# Altium PCB MB1605.PcbDoc (part 3 of 11) (continued)
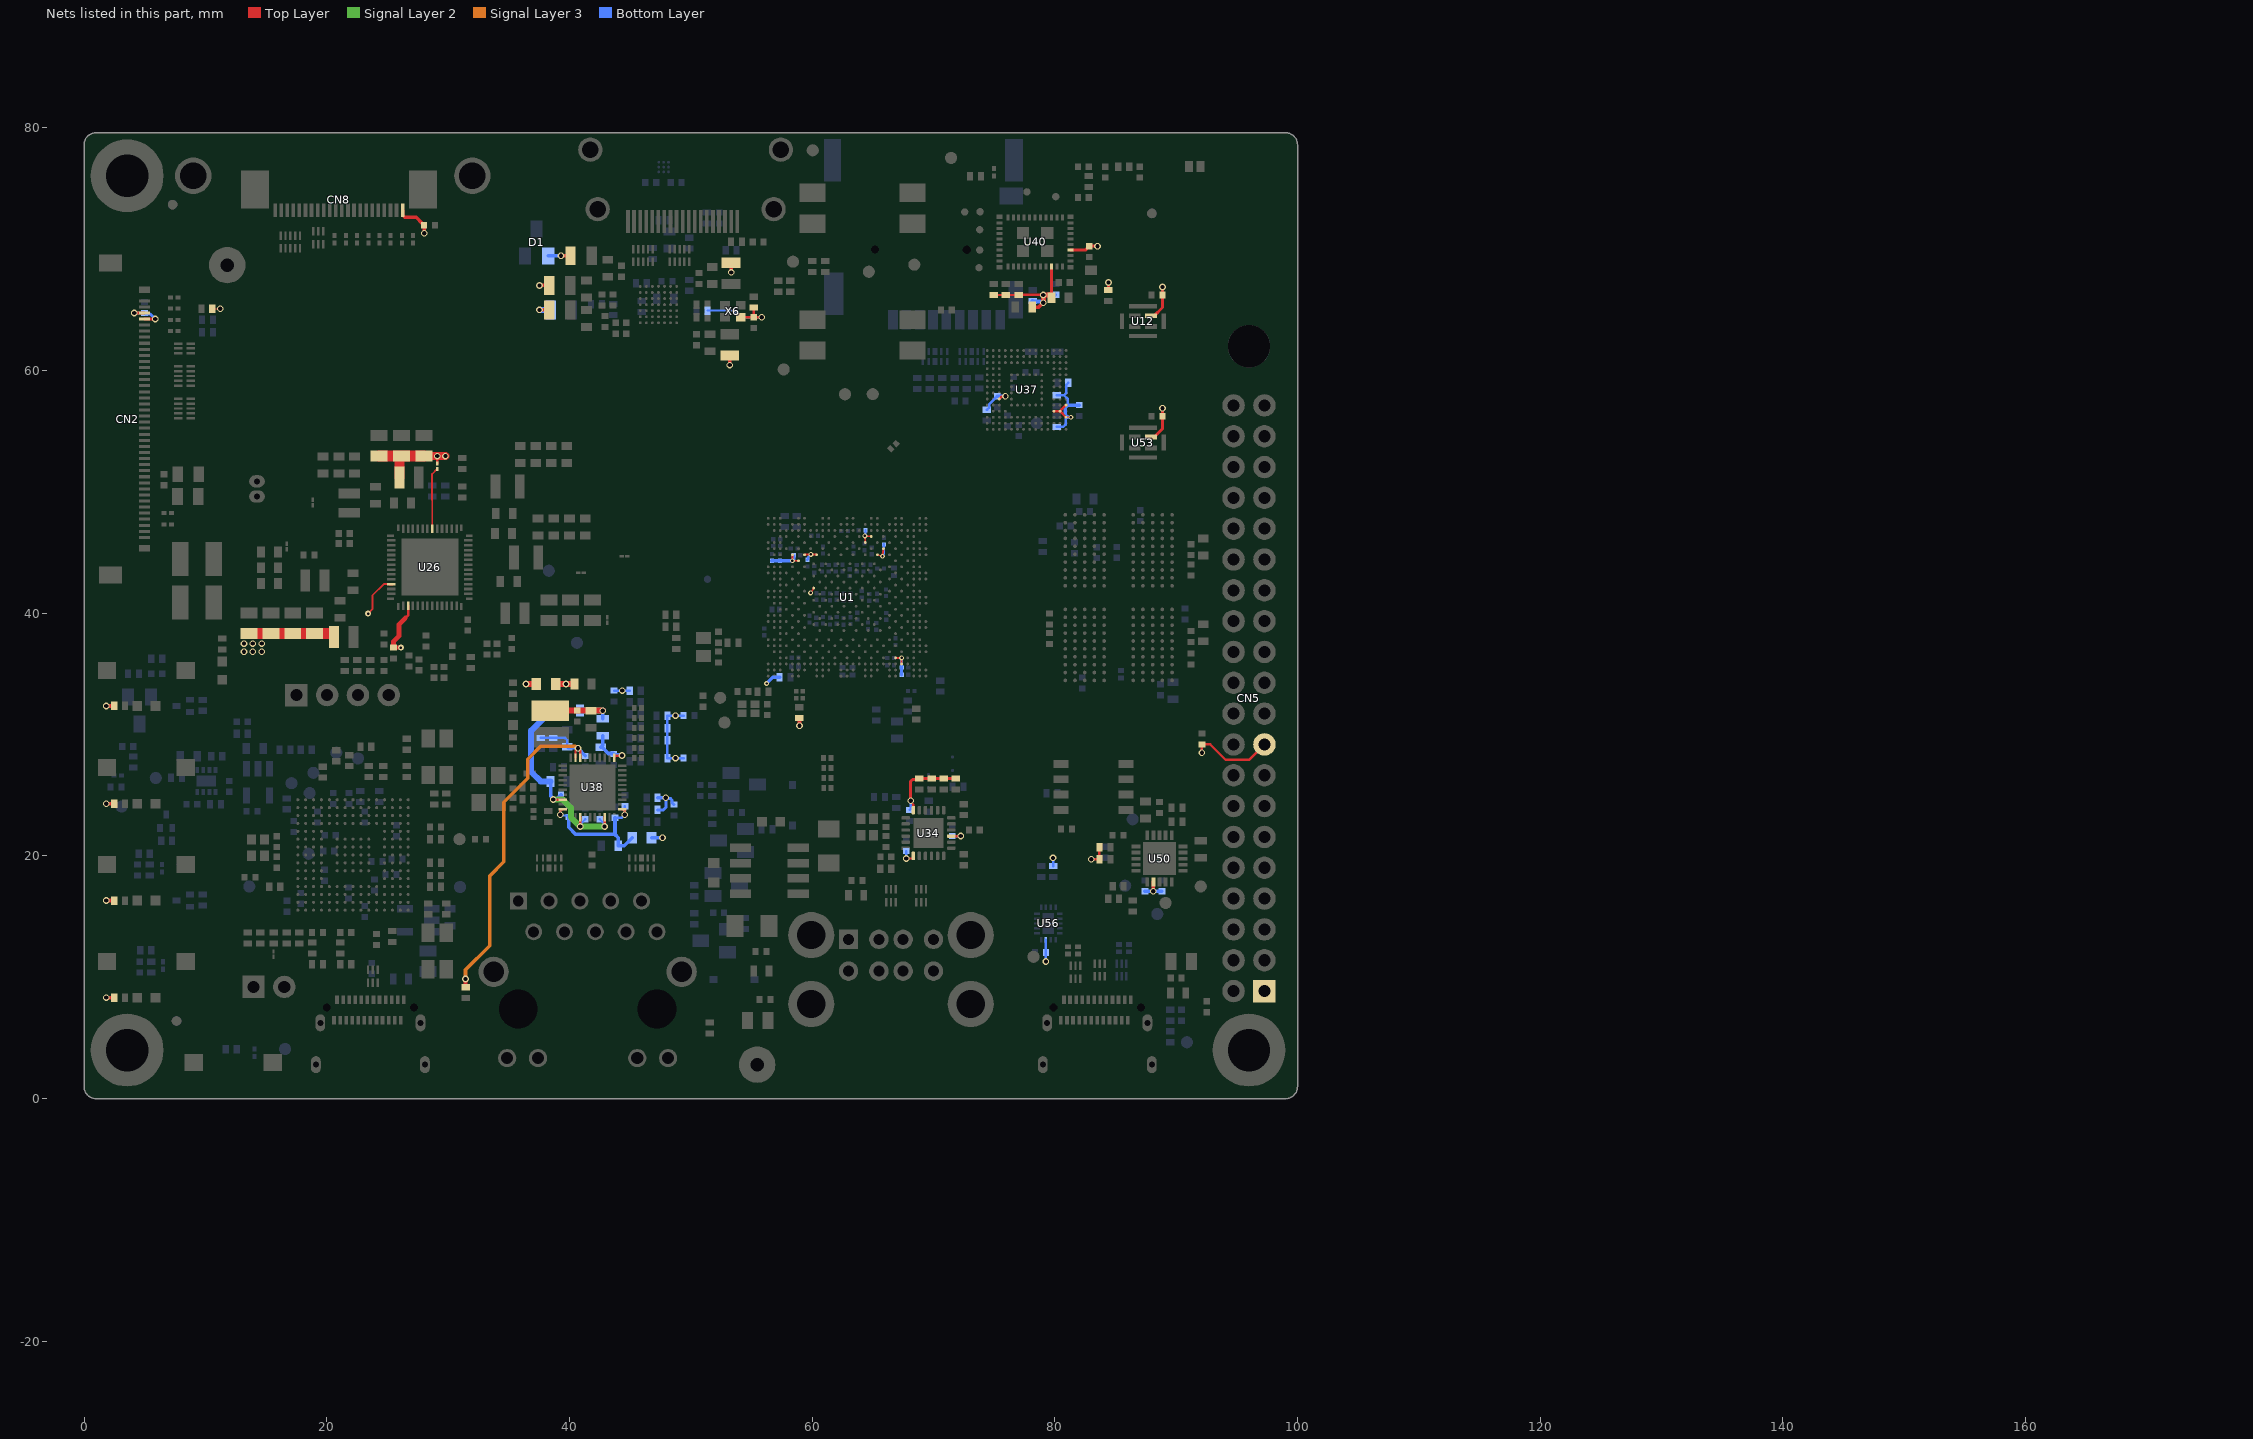
[diagram p7: the nets of this part, all layers, seen from the top]
## Part data (continued)
C117 C128 C132 C145 C148 C160: library part MCD-02606, "Capacitor, MLCC, 2.2uF, 6.3V, X5R, +/-10%, 0402, T=0.5mm", Manufacturer=YAGEO, Manufacturer_Part_Number=CC0402KRX5R5BB225, Package=0402, Component_Country_Of_Origin=China?ISIMPORTED=TRUE, ComponentLink1URL=http://tunmcdsvn.tun.st.com/Component_Documentation_Library/Trunk/Capacitor/YAGEO_X5R_Series, ID=4712, Internal_Part_Number=MCD-02606, Order_Code_Digikey=311-1682-2-ND, Order_Code_Farnell=3366429, Order_Code_RS=1992205, Part_Preference=Recommended, Part_Type=Capacitor, ShowFields=YES, Status=Checked
C129 C165 C169: library part MCD-00099, "Capacitor, MLCC, 10uF, 10V, X5R, +/-10%, 0603, T=0.8mm", Manufacturer=MURATA, Manufacturer_Part_Number=GRM188R61A106KE69D, Package=0603, Component_Country_Of_Origin=Japan, ComponentLink1URL=http://tunmcdsvn.tun.st.com/Component_Documentation_Library/Trunk/Capacitor/MURATA_GRM_Series, ID=2770, Internal_Part_Number=MCD-00099, Order_Code_Digikey=490-10474-1-ND, Order_Code_Farnell=2494233, Order_Code_RS=170-6168, Part_Preference=Recommended, Part_Type=Capacitor, ShowFields=YES, Status=Released
C131: library part MCD-00016, "Capacitor, MLCC, 20pF, 50V, NPO, +/- 5%, 0402, T=0.5mm", Manufacturer=YAGEO, Manufacturer_Part_Number=CC0402JRNPO9BN200, Package=0402, Component_Country_Of_Origin=China, ComponentLink1URL=http://tunmcdsvn.tun.st.com/Component_Documentation_Library/Trunk/Capacitor/YAGEO_NP0_Series, ID=2479, Internal_Part_Number=MCD-00016, Order_Code_Digikey=311-1417-1-ND, Order_Code_Farnell=N/A, Order_Code_RS=N/A, Part_Preference=Recommended, Part_Type=Capacitor, ShowFields=YES, Status=Released
C133 C140: library part MCD-01374, "Capacitor, MLCC, 5.6pF, 50V, NPO, +/-0.1pF, 0402, T=0.5mm", Manufacturer=YAGEO, Manufacturer_Part_Number=CC0402BRNPO9BN5R6, Package=0402, Component_Country_Of_Origin=China, ComponentLink1URL=http://tunmcdsvn.tun.st.com/Component_Documentation_Library/Trunk/Capacitor/YAGEO_NP0_Series, ID=3474, Internal_Part_Number=MCD-01374, Order_Code_Digikey=311-1625-1-ND, Order_Code_Farnell=N/A, Order_Code_RS=N/A, Part_Preference=Recommended, Part_Type=Capacitor, ShowFields=YES, Status=Released
C134 C218: library part MCD-01356, "Capacitor, MLCC, 4.7uF, 6V3, X5R, 20%, 0402, T=0,5mm", Alternate_Manufacturer=MURATA, Alternate_Manufacturer_Part_Number=GRM155R60J475ME87, Manufacturer_Part_Number=GRM155R60J475ME47, Package=0402, Component_Country_Of_Origin=Japan, ComponentLink1Description=Datasheet, ComponentLink1URL=http://tunmcdsvn.tun.st.com/Component_Documentation_Library/Trunk/Capacitor/MURATA_GRM_Series, ECCN_EU=NEC, ECCN_US=EAR99, ID=3456, Internal_Part_Number=MCD-01356, Manufacturer=MURATA, Order_Code_Digikey=490-5915-1-ND, Order_Code_Farnell=2666407, Order_Code_RS=814-5230, Part_Preference=Recommended, Part_Type=Capacitor, Provided_By=SUBCO, ShowFields=YES, Status=Released
C135: library part MCD-00099, "Capacitor, MLCC, 10uF, 10V, X5R, 10%, 0603, T=0,8mm", Manufacturer=MURATA, Manufacturer_Part_Number=GRM188R61A106KE69D, Package=0603, Component_Country_Of_Origin=Japan, ComponentLink1Description=Datasheet, ComponentLink1URL=http://tunmcdsvn.tun.st.com/Component_Documentation_Library/Trunk/Capacitor/MURATA_GRM_Series, ECCN_EU=NEC, ECCN_US=EAR99, ID=2770, Initial_Board_Reference=MB1262, Internal_Part_Number=MCD-00099, Order_Code_Digikey=490-10474-1-ND, Order_Code_Farnell=2494233, Order_Code_RS=170-6168, Part_Preference=Recommended, Part_Type=Capacitor, Provided_By=SUBCO, ShowFields=YES, Status=Released
C136: library part MCD-00012, "Capacitor, MLCC, 2.2uF, 10V, X5R, 10%, 0603, T=0,8mm", Alternate_Manufacturer=KEMET, Alternate_Manufacturer_Part_Number=C0603C225K8PACTU, Manufacturer=YAGEO, Manufacturer_Part_Number=CC0603KRX5R6BB225, Package=0603, BMS_Part_Number=9142010, Component_Country_Of_Origin=China, ComponentLink1Description=Datasheet, ComponentLink1URL=http://tunmcdsvn.tun.st.com/Component_Documentation_Library/Trunk/Capacitor/YAGEO_X5R_Series, ECCN_EU=NEC, ECCN_US=EAR99, ID=2467, Initial_Board_Reference=MB1274, Internal_Part_Number=MCD-00012, Order_Code_Digikey=311-1451-1-ND, Order_Code_Farnell=2370679, Order_Code_RS=N/A, Part_Preference=Recommended, Part_Type=Capacitor, Provided_By=SUBCO, ShowFields=YES, Status=Released
C150 C226: library part MCD-00104, "Capacitor, MLCC, 220uF, 6V3, X5R, +/-20%, 1206, T=1.6mm", Manufacturer=MURATA, Manufacturer_Part_Number=GRM31CR60J227ME11, Package=1206, Component_Country_Of_Origin=Japan, ComponentLink1URL=http://tunmcdsvn.tun.st.com/Component_Documentation_Library/Trunk/Capacitor/MURATA_GRM_Series, ID=2764, Internal_Part_Number=MCD-00104, Order_Code_Digikey=490-13970-1-ND, Order_Code_Farnell=2494472, Order_Code_RS=170-6396, Part_Preference=Recommended, Part_Type=Capacitor, ShowFields=YES, Status=Released
C151 C250 C252 C260: library part MCD-02377, "Capacitor, MLCC, 1uF, 6.3V, X5R, +/-20%, 0201, T=0,3mm", Alternate_Manufacturer=N/A, Manufacturer=MURATA, Manufacturer_Part_Number=GRM033R60J105MEA2, Package=0201, Alternate_Manufacturer_Part_Number=N/A, Component_Country_Of_Origin=Japan, ComponentLink1URL=http://tunmcdsvn.tun.st.com/Component_Documentation_Library/Trunk/Capacitor/MURATA_GRM_Series/GRM033R60J105MEA2/, ID=4483, Internal_Part_Number=MCD-02377, Order_Code_Digikey=490-7229-2-ND, Order_Code_Farnell=2470448, Order_Code_RS=820-0643, Part_Preference=Recommended, Part_Type=Capacitor, ShowFields=YES, Status=Checked
C156 C164: library part MCD-00205, "Capacitor, MLCC, 100pF, 50V, NPO, +/-5%, 0402, T=0.5mm", Manufacturer=YAGEO, Manufacturer_Part_Number=CC0402JRNPO9BN101, Package=0402, Component_Country_Of_Origin=China, ComponentLink1URL=http://tunmcdsvn.tun.st.com/Component_Documentation_Library/Trunk/Capacitor/YAGEO_NP0_Series, ID=2658, Internal_Part_Number=MCD-00205, Order_Code_Digikey=311-1024-1-ND, Order_Code_Farnell=3019226RL, Order_Code_RS=N/A, Part_Preference=Recommended, Part_Type=Capacitor, ShowFields=YES, Status=Released
C166 C172: library part MCD-02355, "Capacitor, MLCC, 100nF, 25V, X7R, +/-10%, 0402, T=0.5mm", Manufacturer=WALSIN, Manufacturer_Part_Number=0402B104K250CT, Package=0402, Alternate_EMS="M, M", Component_Country_Of_Origin=Unknown, ComponentLink1URL=http://tunmcdsvn.tun.st.com/Component_Documentation_Library/Trunk/Capacitor/WALSIN_Monolithic_Series/, ID=4461, Internal_Part_Number=MCD-02355, Order_Code_Digikey=1292-1175-1-ND, Order_Code_Farnell=2496772, Order_Code_RS=176-3114, Part_Preference=Recommended, Part_Type=Capacitor, Partial_Alternate_Internal_Part_Number="MCD-03302, MCD-03304", ShowFields=YES, Status=Released
C167 C174 C175 C176: library part MCD-00200, "Capacitor, MLCC, 12pF, 50V, NPO, 5%, 0402, T=0,5mm", Alternate_Manufacturer=N/A, Manufacturer=YAGEO, Manufacturer_Part_Number=CC0402JRNPO9BN120, Package=0402, Alternate_Manufacturer_Part_Number=N/A, Component_Country_Of_Origin=China, ComponentLink1Description=Datasheet, ComponentLink1URL=http://tunmcdsvn.tun.st.com/Component_Documentation_Library/Trunk/Capacitor/YAGEO_NP0_Series, ECCN_EU=NEC, ECCN_US=EAR99, ID=2667, Internal_Part_Number=MCD-00200, Order_Code_Digikey=311-1016-1-ND, Order_Code_Farnell=2370624, Order_Code_RS=N/A, Part_Preference=Recommended, Part_Type=Capacitor, Provided_By=SUBCO, ShowFields=YES, Status=Checked
C168 C171: library part MCD-00724, "Capacitor, MLCC, 470pF, 50V, NPO, +/-5%, 0402, T=0.5mm", Manufacturer=YAGEO, Manufacturer_Part_Number=CC0402JRNPO9BN471, Package=0402, Component_Country_Of_Origin=China, ComponentLink1URL=http://tunmcdsvn.tun.st.com/Component_Documentation_Library/Trunk/Capacitor/YAGEO_NP0_Series, ID=3023, Internal_Part_Number=MCD-00724, Order_Code_Digikey=311-1671-1-ND, Order_Code_Farnell=3366416, Order_Code_RS=199-2186, Part_Preference=Recommended, Part_Type=Capacitor, ShowFields=YES, Status=Released
C170: library part MCD-01099, "Capacitor, MLCC, 100nF, 50V, X7R, +/-10%, 0603, T=0.8mm", Manufacturer=YAGEO, Manufacturer_Part_Number=CC0603KRX7R9BB104, Package=0603, BMS_Part_Number=9142278, Component_Country_Of_Origin=China, ComponentLink1URL=http://tunmcdsvn.tun.st.com/Component_Documentation_Library/Trunk/Capacitor/YAGEO_X7R_Series, ID=3397, Internal_Part_Number=MCD-01099, Order_Code_Digikey=311-1344-1-ND, Order_Code_Farnell=1362556, Order_Code_RS=669-8767, Part_Preference=Recommended, Part_Type=Capacitor, Partial_Alternate_Internal_Part_Number=MCD-0211, ShowFields=YES, Status=Released
C185 C186 C187 C193 C194 C198 C203 C204 C206 C207: library part MCD-03139, "Capacitor, MLCC, 22uF, 10V, X5R, +/-20%, 0805, T=1,25mm", Manufacturer=MURATA, Manufacturer_Part_Number=GRM21BR61A226ME51L, Package=0805, Component_Country_Of_Origin="China, Japan", ComponentLink1URL=http://tunmcdsvn.tun.st.com/Component_Documentation_Library/Trunk/Capacitor/MURATA_GRM_Series, ID=5255, Internal_Part_Number=MCD-03139, Order_Code_Digikey=490-10511-2-ND, Order_Code_Farnell=2494270, Order_Code_RS=N/A, Part_Preference=Recommended, Part_Type=Capacitor, ShowFields=YES, Status=Checked
C192 C195 C196 C197 C201 C205 C220 C234 C236 C237 C238 C239 C240 C244 C246 C248 C251 C253: library part MCD-01535, "Capacitor, MLCC,100nF, 10V, X7R, +/-10%, 0201, T=0.3mm", Alternate_Manufacturer=N/A, Manufacturer=MURATA, Manufacturer_Part_Number=GRM033R61A104KE15, Package=0201, Alternate_Manufacturer_Part_Number=N/A, Component_Country_Of_Origin=Japan, ComponentLink1URL=http://tunmcdsvn.tun.st.com/Component_Documentation_Library/Trunk/Capacitor/MURATA_GRM_Series, ID=3635, Internal_Part_Number=MCD-01535, Order_Code_Digikey=490-5881-1-ND, Order_Code_Farnell=2470450, Order_Code_RS=790-2742, Part_Preference=Recommended, Part_Type=Capacitor, ShowFields=YES, Status=Checked
C222 C223: library part MCD-00015, "Capacitor,10pF,50V,NPO,5%,0402", Manufacturer=YAGEO, Manufacturer_Part_Number=CC0402JRNPO9BN100, Package=0402, Component_Country_Of_Origin=China, ComponentLink1Description=Datasheet, ComponentLink1URL=http://tunmcdsvn.tun.st.com/Component_Documentation_Library/Trunk/Capacitor/YAGEO_NP0_Series, ECCN_EU=n/a, ECCN_US=n/a, ID=2465, Initial_Board_Reference=mb1274, Internal_Part_Number=MCD-00015, Order_Code_Digikey=311-1014-1-ND, Order_Code_Farnell=3019160RL, Order_Code_RS=616-9256, Part_Preference=Recommended, Part_Type=Capacitor, Provided_By=SUBCO, ShowFields=YES, Status=Released
C224: library part MCD-00095, "Capacitor, MLCC, 1uF, 25V, X5R, +/-10%, 0402, T=0,5mm", Alternate_Manufacturer=MURATA, Alternate_Manufacturer_Part_Number=GRM155R60J105KE19, Manufacturer_Part_Number=GRM155R61E105KA12, Package=0402, Component_Country_Of_Origin=Japan, ComponentLink1Description=Datasheet, ComponentLink1URL=http://tunmcdsvn.tun.st.com/Component_Documentation_Library/Trunk/Capacitor/MURATA_GRM_Series, ID=2772, Internal_Part_Number=MCD-00095, Manufacturer=MURATA, Order_Code_Digikey=490-10017-1-ND, Order_Code_Farnell=2218855, Order_Code_RS=846-7287, Part_Preference=Recommended, Part_Type=Capacitor, ShowFields=YES, Status=Released
C225: library part MCD-01534, "Capacitor, MLCC, 4,7uF, 6V3, X5R, +/-20%, 0201, T=0.5mm", Alternate_Manufacturer=N/A, Manufacturer=MURATA, Manufacturer_Part_Number=GRM035R60J475ME15, Package=0201, Alternate_Manufacturer_Part_Number=N/A, Component_Country_Of_Origin=Japan, ComponentLink1URL=http://tunmcdsvn.tun.st.com/Component_Documentation_Library/Trunk/Capacitor/MURATA_GRM_Series, ID=3634, Internal_Part_Number=MCD-01534, Order_Code_Digikey=490-13230-1-ND, Order_Code_Farnell=N/A, Order_Code_RS=N/A, Part_Preference=Recommended, Part_Type=Capacitor, ShowFields=YES, Status=Checked
C235: library part MCD-02235, "Capacitor, MLCC, 2.2uF, 10V, X5R,+/-10%, 0201, T=0.5mm", Manufacturer=MURATA, Manufacturer_Part_Number=GRM033R61A225KE47D, Package=0201, Component_Country_Of_Origin=Japan, ComponentLink1URL=http://tunmcdsvn.tun.st.com/Component_Documentation_Library/Trunk/Capacitor/MURATA_GRM_Series, ID=4335, Internal_Part_Number=MCD-02235, Order_Code_Digikey=490-13227-1-ND, Order_Code_Farnell=NA, Order_Code_RS=NA, Part_Preference=Recommended, Part_Type=Capacitor, ShowFields=YES, Status=Checked
CN1: library part MCD-00307, "HDMI_Type A, Receptacle, 19x1, 0.5mm, VR, SMD, T= 6.1mm", Manufacturer="AMPHENOL ICC", Manufacturer_Part_Number=10029449-001RLF, Component_Country_Of_Origin=China, ComponentLink1URL=http://tunmcdsvn.tun.st.com/Component_Documentation_Library/Trunk/Connector/AMPHENOL_ICC_10029449_Series/, ID=2561, Internal_Part_Number=MCD-00307, Order_Code_Digikey=609-1010-2-ND, Order_Code_Farnell=3367498, Order_Code_RS=162-1999, Part_Preference=Recommended, Part_Type=Connector, ShowFields=YES, Status=Checked
CN2: library part MCD-03562, "Socket_FFC/FPC, 40pins, 0.5mm, RA, SMD, T=1mm", Manufacturer=I-PEX, Manufacturer_Part_Number=20455-040E-76, Component_Country_Of_Origin=Singapore, ComponentLink1URL=http://tunmcdsvn.tun.st.com/Component_Documentation_Library/Trunk/Connector/I-PEX_20455-040E-76, ID=5678, Internal_Part_Number=MCD-03562, Order_Code_Digikey=3508-20455-040E-76TR-ND, Order_Code_Farnell=N/A, Order_Code_RS=N/A, Part_Preference=Recommended, Part_Type=Connector, ShowFields=YES, Status=Released
CN5: library part MCD-00302, "Header, 20x2, 2.54mm, VR, TH, T=5.84mm/2.54mm", Manufacturer=SAMTEC, Manufacturer_Part_Number=TSW-120-07-G-D, Component_Country_Of_Origin="China, Costa Rica, Malaysia, United States, Vietnam", ComponentLink1URL=http://tunmcdsvn.tun.st.com/Component_Documentation_Library/Trunk/Connector/SAMTEC_TSW_Series/, ID=2567, Internal_Part_Number=MCD-00302, Order_Code_Digikey=SAM1028-20-ND, Order_Code_Farnell=2779689, Order_Code_RS=180-2456, Part_Preference=Recommended, Part_Type=Connector, ShowFields=YES, Status=Released
CN6: library part MCD-00023, "MicroSD Card Conn, Reversed-Type, Mnt Push-Push, Positionning holes", Alternate_Manufacturer=N/A, Manufacturer=YAMAICHI, Manufacturer_Part_Number=PJS008-2003-1, Alternate_Manufacturer_Part_Number=N/A, Component_Country_Of_Origin=Unknown, ComponentLink1Description=Datasheet, ComponentLink1URL=http://tunmcdsvn.tun.st.com/Component_Documentation_Library/Trunk/Connector/YAMAICHI_PJS_Series/, ECCN_EU=n/a, ECCN_US=n/a, ID=2492, Internal_Part_Number=MCD-00023, Order_Code_Digikey=N/A, Order_Code_Farnell=N/A, Order_Code_RS=N/A, Part_Preference=Recommended, Part_Type=Connector, Provided_By=SUBCO, ShowFields=YES, Status=Released
CN8: library part MCD-03600, "Socket_FFC/FPC, 22pins, 0.5mm, RA, SMD, T=2mm", Manufacturer="TE CONNECTIVITY", Component_Country_Of_Origin=China?ISIMPORTED=TRUE, ComponentLink1URL=http://tunmcdsvn.tun.st.com/Component_Documentation_Library/Trunk/Connector/TE_CONNECTIVITY_2-1734592-2, ID=5716, Internal_Part_Number=MCD-03600, Manufacturer_Part_Number=2-1734592-2, Order_Code_Digikey=A101307TR-ND, Order_Code_Farnell=3398660, Order_Code_RS=N/A, Part_Preference=Recommended, Part_Type=Connector, ShowFields=YES, Status=New
CN12: library part MCD-00655, "Header 2 circuits, 1.25mm Pitch ,  Vertical, with Friction Lock", Alternate_Manufacturer=N/A, Manufacturer=MOLEX, Manufacturer_Part_Number=53047-0210, Alternate_Manufacturer_Part_Number=N/A, BMS_Part_Number=9083002, Component_Country_Of_Origin=Unknown, ComponentLink1Description=Datasheet, ComponentLink1URL=http://tunmcdsvn.tun.st.com/Component_Documentation_Library/Trunk/Connector/MOLEX_53047-0210/, ECCN_EU=n/a, ECCN_US=n/a, ID=3091, Initial_Board_Reference=MB1272, Internal_Part_Number=MCD-00655, Order_Code_Digikey=WM1731-ND, Order_Code_Farnell=9733051, Order_Code_RS=279-9213, Part_Preference=Recommended, Part_Type=Connector, Provided_By=SUBCO, ShowFields=YES, Status=Released
CN14: library part MCD-00029, "Header, 4x1, 2.54mm, VR, TH, T=5.84mm/2.54mm", Manufacturer=SAMTEC, Manufacturer_Part_Number=TSW-104-07-G-S, Component_Country_Of_Origin="China, Costa Rica, Malaysia, United States, Vietnam", ComponentLink1URL=http://tunmcdsvn.tun.st.com/Component_Documentation_Library/Trunk/Connector/SAMTEC_TSW_Series/, ID=2487, Internal_Part_Number=MCD-00029, Order_Code_Digikey=TSW-104-07-G-S-ND, Order_Code_Farnell=2667450, Order_Code_RS=161-2261, Part_Preference=Recommended, Part_Type=Connector, ShowFields=YES, Status=Released
CN15 CN21: library part MCD-03232, "USB_TypeC, 24 pins, RA, SMD, T=2.96mm (USB Certified 3.1)", Manufacturer="AMPHENOL ICC", Manufacturer_Part_Number=12401826E412A, Component_Country_Of_Origin=China?ISIMPORTED=TRUE, ComponentLink1URL=http://tunmcdsvn.tun.st.com/Component_Documentation_Library/Trunk/Connector/AMPHEMOL_ICC_12401826E412A, ID=5348, Internal_Part_Number=MCD-03232, Order_Code_Digikey=12401826E412ATR-ND, Order_Code_Farnell=3727763, Order_Code_RS=N/A, Part_Preference=Recommended, Part_Type=Connector, ShowFields=YES, Status=Checked
CN16: library part MCD-01129, "Connector_RJ45, led pull down, T= 13.84mm", Manufacturer="YUAN DEAN SCIENTIFIC", Manufacturer_Part_Number=48F-01GYDXNL, Package=13.84x21.59mm, Component_Country_Of_Origin=Unknown, ComponentLink1URL=http://tunmcdsvn.tun.st.com/Component_Documentation_Library/Trunk/Connector/YUAN_DEAN_SCIENTIFIC_48F_Series, ID=3367, Internal_Part_Number=MCD-01129, Order_Code_Digikey=N/A, Order_Code_Farnell=N/A, Order_Code_RS=N/A, Part_Preference=Recommended, Part_Type=Connector, ShowFields=YES, Status=Checked
CN19: library part MCD-00109, "USB_Dual-TypeA, Receptacle, 8pins, 2.5mm, RA, TH, T= 15.5mm", Manufacturer=CONEXCON, Manufacturer_Part_Number=5600-3081, Component_Country_Of_Origin=Unknown, ComponentLink1URL=http://tunmcdsvn.tun.st.com/Component_Documentation_Library/Trunk/Connector/CONEXCON_5600_Series/, ID=2756, Internal_Part_Number=MCD-00109, Order_Code_Digikey=N/A, Order_Code_Farnell=N/A, Order_Code_RS=N/A, Part_Preference=Recommended, Part_Type=Connector, ShowFields=YES, Status=Released
D1: library part MCD-02333, "Diode, Ultrafast and RF switching diode, VF=0.41V@IF=1mA, VBR=70V", Manufacturer=STMICROELECTRONICS, Manufacturer_Part_Number=BAR18FILM, Package=SOT-23, Component_Country_Of_Origin=China, ComponentLink1URL=http://tunmcdsvn.tun.st.com/Component_Documentation_Library/Trunk/Diode/STMICROELECTRONICS_BAR18_Series, ID=4439, Internal_Part_Number=MCD-02333, Order_Code_Digikey=497-2529-2-ND, Order_Code_Farnell=9801340RL, Order_Code_RS=165-7525, Part_Preference=Recommended, Part_Type=Diode, ShowFields=YES, Status=Checked
D2 D5: library part MCD-03688, "Diode, Schottky, 0V33, 0.5A , 30V, SOD123", Manufacturer=STMICROELECTRONICS, Manufacturer_Part_Number=STPS0530Z, Package=SOD123, ComponentLink1URL=http://tunmcdsvn.tun.st.com/Component_Documentation_Library/Trunk/Diode/STMICROELECTRONICS_STPS0530Z, ID=5804, Internal_Part_Number=MCD-03688, Order_Code_Digikey=497-16204-2-ND, Order_Code_Farnell=N/A, Order_Code_RS=N/A, Part_Preference=Recommended, Part_Type=Diode, ShowFields=YES, Status=New
D6: library part MCD-03280, "Diode, Schottky, Dual Common Cathode, 0V3, 300mA, 40V, SOT-23", Manufacturer=STMICROELECTRONICS, Manufacturer_Part_Number=BAT54CFILM, Package=SOT-23, Component_Country_Of_Origin=China, ComponentLink1URL=http://tunmcdsvn.tun.st.com/Component_Documentation_Library/Trunk/Diode/STMICROELECTRONICS_BAT54_Series, Full_Alternate_Internal_Part_Number="BAT54C+, BAT54CLT1G, BAT54C-7-F, BAT54C,215", ID=5396, Internal_Part_Number=MCD-03280, Order_Code_Digikey=N/A, Order_Code_Farnell=9801499, Order_Code_RS=795-8397, Part_Preference=Recommended, Part_Type=Diode, ShowFields=YES, Status=New
D7: library part MCD-00034, Manufacturer=STMICROELECTRONICS, Manufacturer_HQ_COO=EU, BMS_Part_Number=9151097, Component_Country_Of_Origin=China, ComponentLink1URL=http://tunmcdsvn.tun.st.com/Component_Datasheet_Library/Trunk/Diodes/STM_Diode_BAT60JFILM-SOD323, ID=2483, Internal_Part_Number=MCD-00034, Manufacturer_Part_Number=BAT60JFILM, Part_Preference=Recommended, Part_Type=Diode, ShowFields=YES, Status=Released
JP3: library part MCD-00045, "Header, 2x1, 2.54mm, VR, TH, T=5.84mm/2.54mm", Manufacturer=SAMTEC, Manufacturer_Part_Number=TSW-102-07-G-S, Alternate_Internal_Part_Number=MCD-02390, Component_Country_Of_Origin="China, Costa Rica, Malaysia, United States, Vietnam", ComponentLink1URL=http://tunmcdsvn.tun.st.com/Component_Documentation_Library/Trunk/Connector/SAMTEC_TSW_Series/, Full_Alternate_Internal_Part_Number=MCD-02390, ID=2545, Internal_Part_Number=MCD-00045, Order_Code_Digikey=SAM1029-02-ND, Order_Code_Farnell=2505044, Order_Code_RS=155-5312, Part_Preference=Recommended, Part_Type=Connector, ShowFields=YES, Status=Released
L1 L6: library part MCD-03143, "Inductor, 2.2uH, +/-20%, Itemp= 1700mA, Isat= 2400mA, 0R140, 0806, T=1mm", Manufacturer=MURATA, Manufacturer_Part_Number=DFE201610E-2R2M=P2, Package=0806, Component_Country_Of_Origin=Vietnam, ComponentLink1URL=http://tunmcdsvn.tun.st.com/Component_Documentation_Library/Trunk/Inductor/MURATA_DFE201610E_Series, ID=5259, Internal_Part_Number=MCD-03143, Order_Code_Digikey="490-17728-2-ND -", Order_Code_Farnell=N/A, Order_Code_RS=N/A, Part_Preference=Recommended, Part_Type=Inductor, ShowFields=YES, Status=Checked
L2 L4: library part MCD-03142, "Inductor, 0.68uH, +/-20%, Itemp= 3900mA, Isat= 5400mA, 0R031, 1008, T=1.2mm", Manufacturer=MURATA, Manufacturer_Part_Number=DFE252012F-R68M=P2, Package=1008, Component_Country_Of_Origin=Vietnam, ComponentLink1URL=http://tunmcdsvn.tun.st.com/Component_Documentation_Library/Trunk/Inductor/MURATA_DFE252012F-6R8M=P2, ID=5258, Internal_Part_Number=MCD-03142, Order_Code_Digikey=490-13044-2-ND, Order_Code_Farnell=N/A, Order_Code_RS=N/A, Part_Preference=Recommended, Part_Type=Inductor, ShowFields=YES, Status=Checked
L3 L5 L7: library part MCD-03141, "Inductor, 0.68uH, +/-20%, Itemp= 3100mA, Isat= 4300mA, 0R043, 0806, T=1mm", Manufacturer=MURATA, Manufacturer_Part_Number=DFE201610E-R68M=P2, Package=0806, Component_Country_Of_Origin=Vietnam, ComponentLink1URL=http://tunmcdsvn.tun.st.com/Component_Documentation_Library/Trunk/Inductor/MURATA_DFE201610E_Series, ID=5257, Internal_Part_Number=MCD-03141, Order_Code_Digikey=N/A, Order_Code_Farnell=N/A, Order_Code_RS=N/A, Part_Preference=Recommended, Part_Type=Inductor, ShowFields=YES, Status=Checked
L9: library part MCD-00657, "Inductor,2.4nH,+-0.2nH,0.05R,0.85A,0402", Manufacturer=MURATA, Manufacturer_Part_Number=LQW15AN2N4C00#, Package=0402, Component_Country_Of_Origin=Japan, ComponentLink1Description=Datasheet, ComponentLink1URL=http://tunmcdsvn.tun.st.com/Component_Documentation_Library/Trunk/Inductor/MURATA_LQW15ANx_Series, ECCN_EU=n/a, ECCN_US=n/a, ID=3088, Initial_Board_Reference=MB1272, Internal_Part_Number=MCD-00657, Order_Code_Digikey=N/A, Order_Code_Farnell=N/A, Order_Code_RS=177-6240, Part_Preference=Recommended, Part_Type=Inductor, Provided_By=SUBCO, ShowFields=YES, Status=Checked
L10: library part MCD-00659, "Inductor, 2.2킜, 20%, Isat 0.35A, DCR 0.2Ohm, 0603", Manufacturer=MURATA, Manufacturer_Part_Number=LQM18PN2R2MGH, Package=0603, Component_Country_Of_Origin=Japan, ComponentLink1Description=Datasheet, ComponentLink1URL=http://tunmcdsvn.tun.st.com/Component_Documentation_Library/Trunk/Inductor/MURATA_LQM_Series, ECCN_EU=n/a, ECCN_US=n/a, ID=3085, Initial_Board_Reference=MB1272, Internal_Part_Number=MCD-00659, Order_Code_Digikey=490-14478-1-ND, Order_Code_Farnell=N/A, Order_Code_RS=N/A, Part_Preference=Recommended, Part_Type=Inductor, Provided_By=SUBCO, ShowFields=YES, Status=Checked
L11 L13 L16 L17 L18 L19: library part MCD-02317, "Inductor, 10uH, +/-20%, Isat 100mA, DCR 0.5Ohm,", Alternate_Manufacturer=TDK, Alternate_Manufacturer_Part_Number=MLZ2012M100WT000, Manufacturer=MURATA, Manufacturer_Part_Number=LQM21FN100M80L, Package=0805, Component_Country_Of_Origin=Japan, ComponentLink1URL=http://tunmcdsvn.tun.st.com/Component_Documentation_Library/Trunk/Inductor/MURATA_LQM_Series, ID=4423, Internal_Part_Number=MCD-02317, Order_Code_Digikey=490-6682-2-ND, Order_Code_Farnell=2470323, Order_Code_RS=786-7074, Part_Preference=Recommended, Part_Type=Inductor, ShowFields=YES, Status=Checked
L12: library part MCD-00305, "Ferrite bead, 26R @ 100Mhz, +/-25%, 6000mA, 0R007, 0603, T=0.75mm", Manufacturer=MURATA, Manufacturer_Part_Number=BLM18KG260TN1, Package=0603, Component_Country_Of_Origin=Japan, ComponentLink1URL=http://tunmcdsvn.tun.st.com/Component_Documentation_Library/Trunk/Inductor/MURATA_BLM_Series, ID=2564, Internal_Part_Number=MCD-00305, Order_Code_Digikey=490-5252-2-ND, Order_Code_Farnell=1781087, Order_Code_RS=747-4723, Part_Preference=Recommended, Part_Type=Inductor, ShowFields=YES, Status=Checked
L15 L21: library part MCD-00094, "Ferrite bead 100R 2A 0603", Manufacturer=MURATA, Manufacturer_Part_Number=BLM18EG101TN1, Package=0603, Component_Country_Of_Origin=Japan, ComponentLink1Description=Datasheet, ComponentLink1URL=http://tunmcdsvn.tun.st.com/Component_Documentation_Library/Trunk/Inductor/MURATA_BLM_Series, ECCN_EU=NEC, ECCN_US=EAR99, ID=2774, Initial_Board_Reference=mb1262, Internal_Part_Number=MCD-00094, Order_Code_Digikey=490-5978-2-ND, Order_Code_Farnell=1515714, Order_Code_RS=792-6246, Part_Preference=Recommended, Part_Type=Inductor, Provided_By=SUBCO, ShowFields=YES, Status=Released
LD2 LD8 LD11: library part MCD-00588, "LED Green, 0603 SMD, Forward Voltage Typ=2V, Max=2.5V", Alternate_Manufacturer="VISHAY SEMICONDUCTOR OPTO DIVISION", Alternate_Manufacturer_Part_Number=VLMTG1300-GS08, Manufacturer="OSRAM OPTO SEMICONDUCTORS", Manufacturer_Part_Number="LG Q396-PS-35", Package="LED 0603", Alternate_Internal_Part_Number=MCD-02400, Component_Country_Of_Origin=Unknown, ComponentLink1Description=Datasheet, ComponentLink1URL=http://tunmcdsvn.tun.st.com/Component_Documentation_Library/Trunk/Display/OSRAM_OPTO_SEMICONDUCTORS_LG-Q396-PS-35, ECCN_EU=n/a, ECCN_US=n/a, Full_Alternate_Internal_Part_Number=MCD-02400, ID=3155, Internal_Part_Number=MCD-00588, Order_Code_Digikey="LG Q396-PS-35-ND", Order_Code_Farnell=N/A, Order_Code_RS=N/A, Part_Preference=Recommended, Part_Type=Display, Provided_By=SUBCO, ShowFields=YES, Status=Released
LD4 LD7: library part MCD-00587, "LED Red, 0603 SMD, 2V Forward Voltage", Alternate_Manufacturer="OSRAM OPTO SEMICONDUCTORS", Alternate_Manufacturer_Part_Number="LS Q976-NR-1", Manufacturer=VISHAY, Manufacturer_Part_Number=VLMS1300-GS08, Package="LED 0603", Alternate_Internal_Part_Number=MCD-02401, Component_Country_Of_Origin=China, ComponentLink1Description=Datasheet, ComponentLink1URL=http://tunmcdsvn.tun.st.com/Component_Documentation_Library/Trunk/Display/VISHAY_VLMx1300-GS08_Series, ECCN_EU=n/a, ECCN_US=n/a, Full_Alternate_Internal_Part_Number=MCD-02401, ID=3154, Internal_Part_Number=MCD-00587, Order_Code_Digikey=VLMS1300-GS08CT-ND, Order_Code_Farnell=2078728, Order_Code_RS=N/A, Part_Preference=Recommended, Part_Type=Display, Provided_By=SUBCO, ShowFields=YES, Status=Released
LD5 LD6: library part MCD-02631, "LED Bicolor, Green/Red, 2V, 20mA,  4-PLCC", Manufacturer="WURTH ELEKTRONIK", Manufacturer_Part_Number=150141SV73110, Package=4-PLCC, Component_Country_Of_Origin=China, ComponentLink1URL=http://tunmcdsvn.tun.st.com/Component_Documentation_Library/Trunk/Display/WURTH_ELEKTRONIK_150141SV73110, ID=4737, Internal_Part_Number=MCD-02631, Order_Code_Digikey=732-13404-2-ND, Order_Code_Farnell=2990869, Order_Code_RS=184-6963, Part_Preference=Recommended, Part_Type=Display, ShowFields=YES, Status=Checked
LD9: library part MCD-00590, "LED Orange, 0603 SMD, Forward Voltage Min=1.6V, Max=2.4V", Alternate_Manufacturer="VISHAY SEMICONDUCTOR OPTO DIVISION", Alternate_Manufacturer_Part_Number=VLMO1300-GS08, Manufacturer="OSRAM OPTO SEMICONDUCTORS", Manufacturer_Part_Number="LO Q976-PS-25", Package="LED 0603", Component_Country_Of_Origin=Unknown, ComponentLink1Description=Datasheet, ComponentLink1URL=http://tunmcdsvn.tun.st.com/Component_Documentation_Library/Trunk/Display/OSRAM_OPTO_SEMICONDUCTORS_LO-Q976-PS-25, ECCN_EU=n/a, ECCN_US=n/a, ID=3156, Internal_Part_Number=MCD-00590, Order_Code_Digikey=N/A, Order_Code_Farnell=N/A, Order_Code_RS=N/A, Part_Preference=Recommended, Part_Type=Display, Provided_By=SUBCO, ShowFields=YES, Status=Released